# KiCad board Lime_RFE.kicad_pcb (continued)
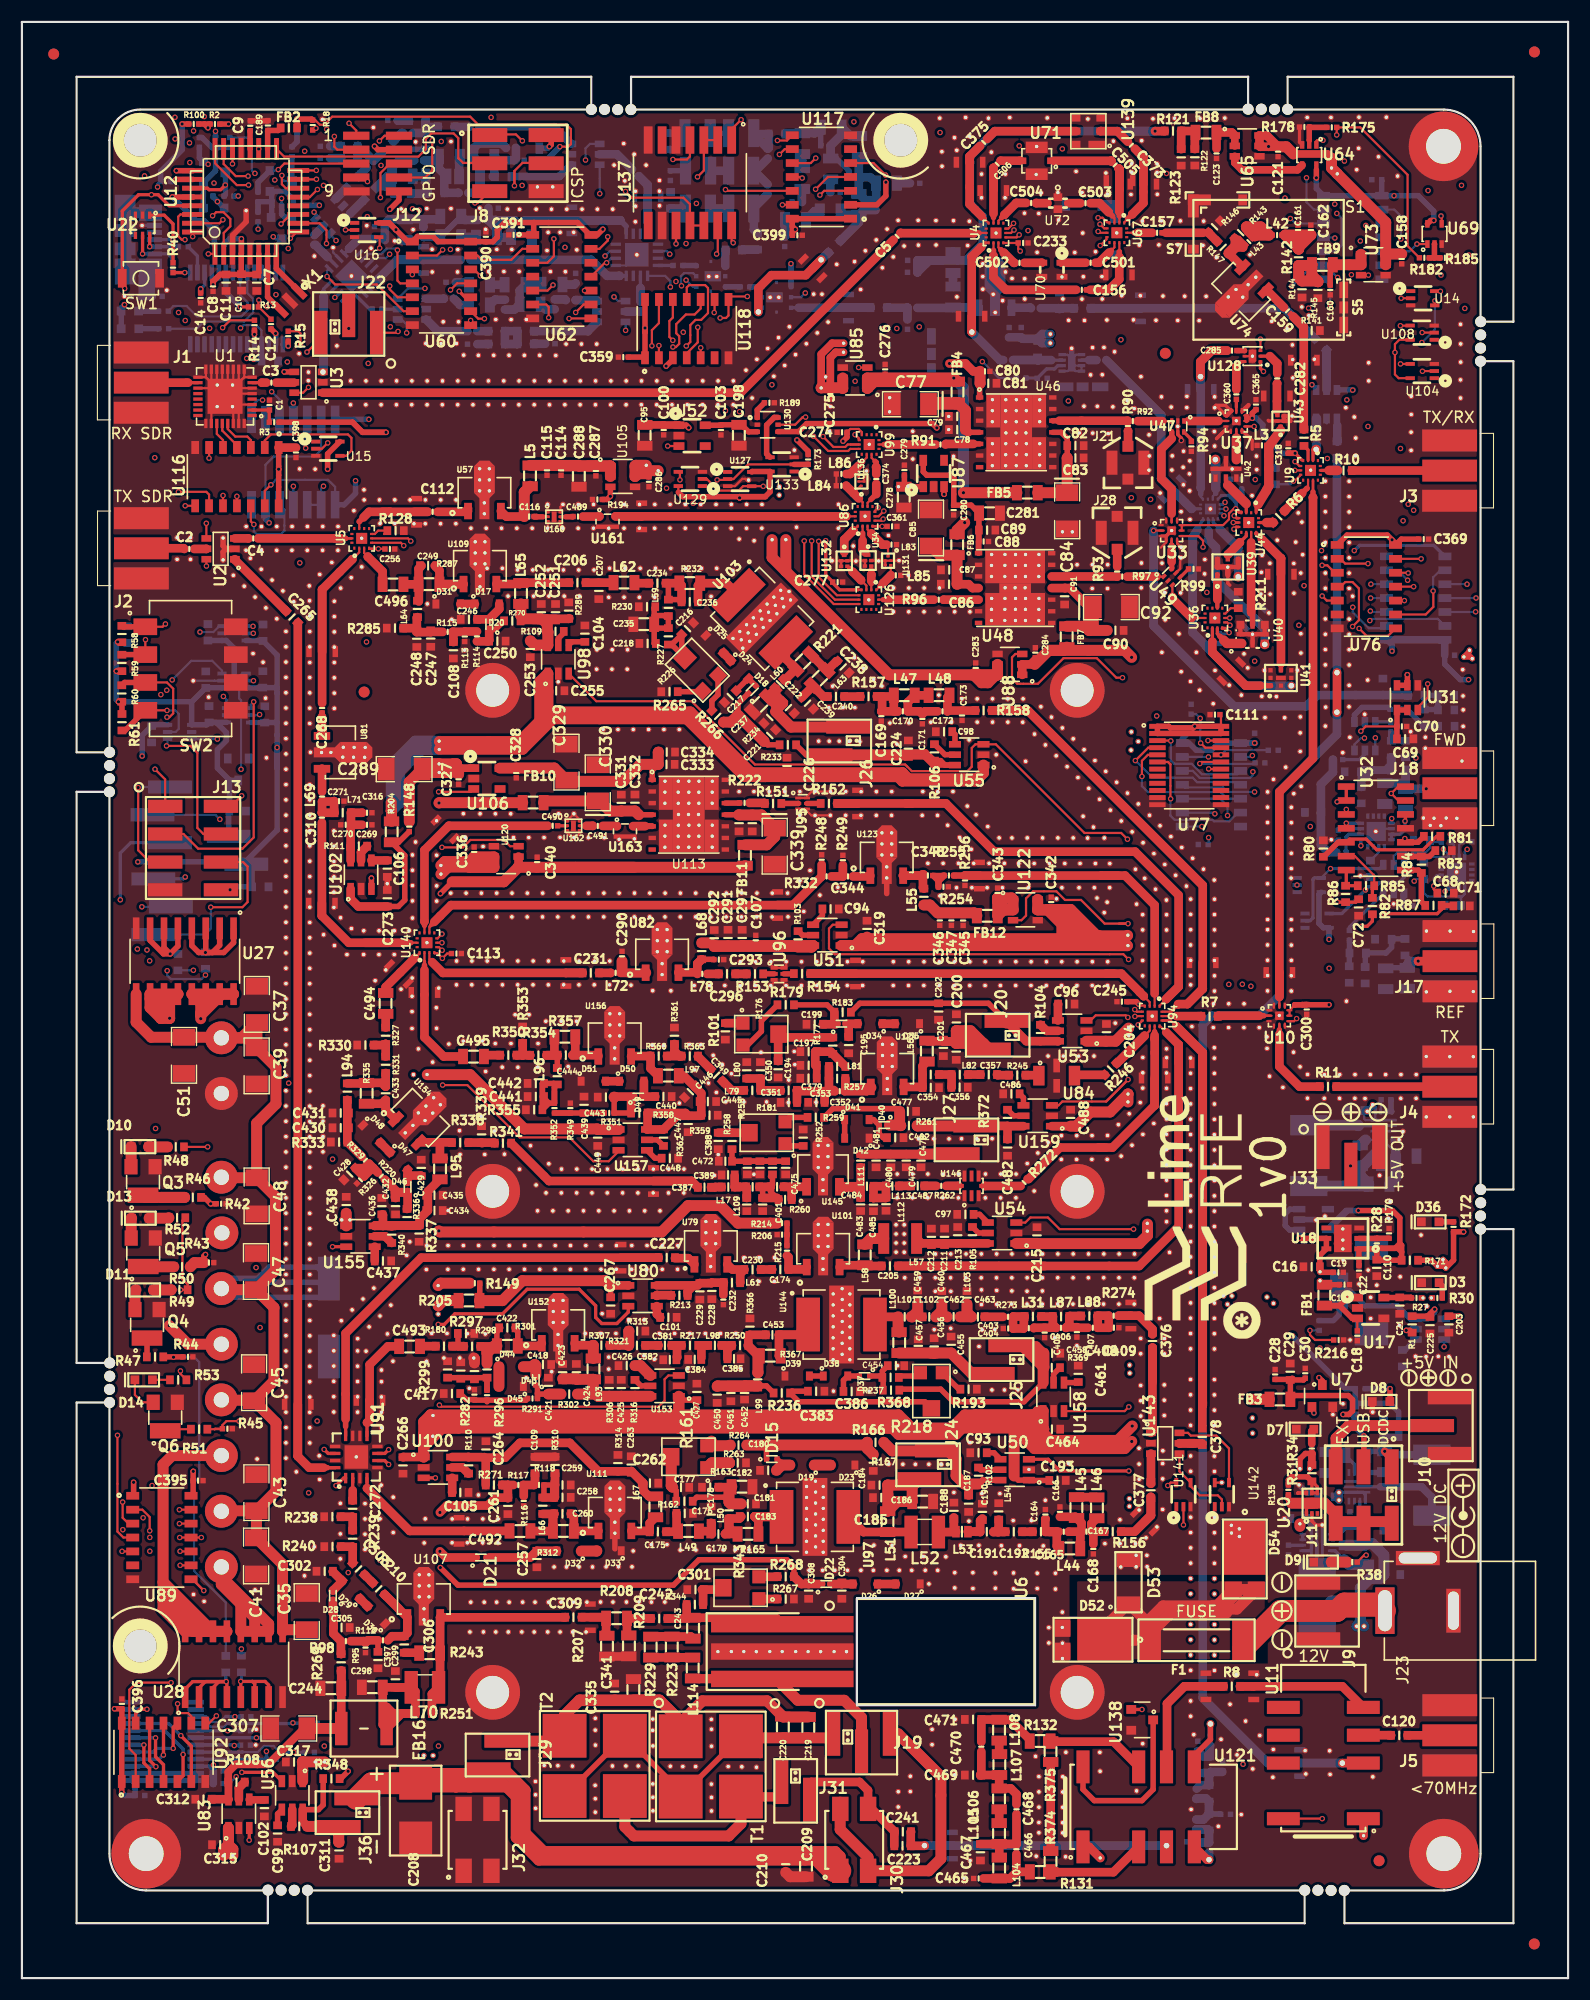
[diagram p0: board, top side]
## Routing (per net, layer and track width the routed paths; a pad name or vN(x,y) marks a point on that pad's centre or on a via; arc(x,y) is an arc through that point) (continued)
+5V_DCDC: length 13.2
  T w0.7: v1(124.36,48.07) 125.01,47.43 J11.1
  B w0.3: R25.2 122.1,47.11 U19.6 ; 124.26,48.17 v1(124.36,48.07)
  B w0.5: 125.63,49.6 125.47,49.44 C23.2 124.26,48.17 v1(124.36,48.07) 123.05,48.07 R25.2
  B w0.7: 124.67,47.76 v1(124.36,48.07) 124.67,47.76 ; 124.67,47.76 L1.1
+5V_ICSP: length 2.2
  T w0.5: v1(48.14,167.14) 48.31,167.31 48.31,168.24
  B w0.5: v1(48.14,167.14) 47.99,166.99 47.21,166.99
+5V_MCU: length 306.8
  T w0.2: 20.03,157.36 U12.4 ; v1(49.09,167.13) 49.85,167.13 50.1,167.37 50.1,168.73 49.66,169.16 41.61,169.16 40.91,169.86 28.31,169.86 27.58,169.12 27.19,169.12 26.77,169.55 R18.2
  T w0.3: v1(19.93,152.5) 19.93,152.5 R13.1 ; 21.62,155.65 C7.1 21.4,155.49 C10.1 ; U12.4 20.04,157.32 C10.1 ; C10.1 18.66,155.49 C11.1 18.08,155.46
  T w0.5: v1(9.36,152.71) 9.36,152.71 ; R18.2 26.44,169.65 v1(25.11,169.65) 25.11,169.64 FB2.2 ; 18.08,155.46 C8.1 18.08,155.46 ; 18.08,155.46 17.45,154.83 v1(17.45,154.53) ; 18.08,155.46 C11.1 ; 18.08,155.46 C11.1 ; C11.1 C7.1 21.62,155.65 U12.6 ; C10.1 20.02,155.52 U12.4 20.03,157.36 v1(20.03,158.72) ; R2.2 v1(18.86,169.19)
  SIG1 w0.5: v1(20.03,158.72) 19.74,159.01 v1(19.74,162.62) 20,162.88 20,168.05 v1(18.86,169.19) ; v1(115.94,58.62) 115.94,83.41 117.73,85.19 117.73,102.87 116.96,103.64 116.96,106.33 117.73,107.1 117.73,121.32 118.34,121.93 119.35,121.93 120.07,122.65 120.07,145.75 120.68,146.36 v1(120.68,165.81)
  SIG2 w0.5: v1(120.68,165.81) 120.68,165.81 105.75,165.81 105.3,166.26 98.79,166.26 98.33,165.81 87.36,165.81 84.8,163.25 76.38,163.25 72.58,167.04 66.23,167.04 65.51,166.32 62.23,166.32 61.48,167.07 57.59,167.07 56.25,165.73 54.9,165.73 53.5,167.13 v1(49.09,167.13) ; v1(17.45,154.53) 17.45,153.23 16.92,152.71 v1(9.36,152.71)
  PWR w0.5: v1(18.86,169.19) 19.32,169.65 v1(25.11,169.65) ; v1(17.45,154.53) 17.45,153.24 18.19,152.5 v1(19.93,152.5) 19.93,150.6 v1(19.95,150.58)
  B w0.2: v1(19.74,162.62) 19.74,162.62 R20.2 ; v1(21.15,147.72) 21.3,147.56 C13.1 ; v1(19.95,150.58) 20.21,150.84 21.38,150.84 21.87,150.35 U13.4 ; 18.61,153.81 v1(19.93,152.5) ; R19.2 18.94,158.72
  B w0.3: 18.61,153.81 v1(19.93,152.5)
  B w0.5: C13.1 21.87,147.57 U13.4 ; R186.2 25.11,167.57 v1(25.11,169.65) ; v1(49.09,167.13) 47.98,166.02 D6.1 ; v1(115.94,58.62) 120.77,53.79 R35.2 121.67,53.77 D5.1 121.97,52.45 124.86,52.45 125.63,51.68 D4.1 ; v1(9.36,152.71) 9.05,152.4 D2.1 9.06,152.11 D1.1 ; v1(19.93,152.5) 18.61,153.81 U13.20 ; R19.2 18.94,158.72 v1(20.03,158.72)
+5V_USB: length 19
  T w0.5: v1(122.46,49.47) 122.47,49.46 122.47,46.66 ; 115.93,54.74 115.75,54.57 FB3.2 116.1,53.16 121.04,53.16 121.42,52.78 121.42,51.77 121.09,51.44 v1(120.56,51.44) ; C30.1 116.95,54.58 C29.1 115.69,54.63 C28.1
  B w0.5: v1(122.46,49.47) 121.67,50.25 121.67,51.24 ; v1(120.56,51.44) 121.42,51.44 121.67,51.18
+7.5V: length 815.3
  T w0.2: v1(122.67,38.6) 122.49,38.6 R38.2
  T w0.5: 61.5,51.39 61.5,52.64 C427.2 59.95,52.74 ; 90.54,45.82 90.92,45.44 U50.1 91.93,45.41 C193.2 ; 90.54,50.65 90.54,50.84
  T w0.79: C266.2 34.8,47.55 U100.1 36.66,50.76 ; 80.3,109.29 80.35,109.24 ; C464.2 93.25,48.32 ; U159.1 C488.2
  T w1: C464.2 93.2,50.14 U158.1 92.75,51.74 92.4,51.39 92.1,51.39 ; C464.2 93.15,50.19 91.57,50.19 ; C464.2 93,50.19 92.35,50.84 ; 73.55,51.39 74.05,51.39 74.85,50.59 76.2,50.59 73.6,50.59 ; 73.55,51.39 59.95,51.39 ; 73.55,51.39 80,51.39 80.7,50.69 ; 37.3,51.39 38.1,50.59 73.6,50.59 ; 37.3,51.39 38.5,50.19 39.85,50.19 ; 37.3,51.39 59.95,51.39 ; 37.3,51.39 36.66,50.76 U100.1 36.66,48.51 38.34,50.19 ; 73.6,50.59 76.45,50.59 76.85,50.19 79.15,50.19 ; 79.15,50.19 81.2,50.19 ; 79.15,50.19 75.8,50.19 ; 87,51.39 86.45,50.84 ; 87,51.39 92.1,51.39 ; 87,51.39 85.22,49.62 80,49.62 78.92,50.69 78.6,50.69 ; 86.45,50.84 85.8,50.19 ; 86.45,50.84 92.35,50.84 ; 85.8,50.19 91.57,50.19 ; 85.8,50.19 84.85,50.19 ; 91.57,50.19 92.69,49.07 93.87,49.07 ; 81.2,50.19 84.85,50.19 ; 81.2,50.19 80.7,50.69 ; 80.7,50.69 78.6,50.69 ; 84.85,50.19 86.05,51.39 92.1,51.39 ; 75.8,50.19 76.3,50.69 78.6,50.69 ; 75.8,50.19 59.95,50.19 ; 59.95,50.19 59.95,50.59 59.95,50.19 ; 59.95,50.19 39.85,50.19 ; 59.95,50.19 U153.1 ; 92.35,50.84 92.35,50.59 93.87,49.07 ; 39.85,50.19 38.34,50.19 ; 36.66,49.71 37.15,50.19 38.34,50.19 ; 59.95,51.39 59.95,52.74 ; 60.05,115.54 61,115.54 66.55,109.99 66.6,109.99 ; 60.05,115.54 48.1,115.54 47.26,114.7 ; 60.05,115.54 60.67,114.92 ; 38.1,112.84 45.4,112.84 47.26,114.7 ; 47.26,114.7 47.26,118.3 U98.1 48,117.29 ; 80.35,109.99 80.35,109.24 ; 80.35,109.99 80.9,109.44 87.2,109.44 87.75,109.99 ; 80.35,109.99 66.6,109.99 ; 80.35,109.24 87,109.24 87.75,109.99 ; 80.35,109.24 79.95,109.64 ; 79.95,109.64 67.85,109.64 ; 79.95,109.64 70.05,109.64 C226.2 ; 67.85,109.64 66.95,109.64 66.6,109.99 ; 67.85,109.64 65.95,109.64 60.67,114.92 ; 60.67,114.92 48.47,114.92 ; 48.47,114.92 45.7,112.14 38.1,112.14 ; 48.47,114.92 48.01,115.38 C255.2 ; 87.75,109.99 U55.1 ; 33.73,106.48 GND_VIA#1255.1 33.73,106.48 ; 33.73,106.48 33.7,106.51 GND_VIA#1254.1 ; 33.73,106.48 R204.2 ; 37.99,61.35 GND_VIA#1257.1 38.46,61.82 R205.2 ; v1(101.32,50.38) 100.01,49.07 93.87,49.07 ; v1(101.28,48.97) 100.63,48.32 93.53,48.32 ; 37.58,50.51 37.58,51.27 37.59,51.28 ; 93.53,48.32 92.4,48.32 90.54,50.18 ; 93.53,48.32 93.25,48.32 ; 90.54,50.18 90.54,45.82 ; 90.54,50.18 90.54,50.65 ; 93.87,49.07 93.25,49.07 ; C488.2 96.22,77.74 97.51,79.04 99.3,79.04 GND_VIA#548.1 100.93,80.67 GND_VIA#559.1
  SIG1 w0.5: GND_VIA#548.1 100.22,79.96 100.22,78.65 101.2,77.67 101.2,77.2 102.29,76.1 102.29,75.19 102.07,74.98 102.07,67.12 102.69,66.5 102.69,62.02 102.41,61.74 102.41,59.49 102.83,59.07 102.83,50.86 102.84,50.85 102.37,50.38 v1(101.32,50.38) ; GND_VIA#17.1 122.67,32.31 v1(122.67,38.6) ; v1(101.28,48.97) 101.8,49.49 103.12,49.49 103.53,49.9 103.53,59.31 103.08,59.76 103.08,61.09 103.73,61.74 103.73,69.43 103.34,69.81 103.34,76.99 102.4,77.93 102.4,78.48 100.93,79.95 GND_VIA#559.1
  SIG1 w0.79: 35.42,53.5 37.51,51.41 GND_VIA#1384.1
  SIG1 w1: GND_VIA#1385.1 37.51,49.46 GND_VIA#1384.1 ; GND_VIA#1257.1 37.99,61.35 GND_VIA#1256.1
  SIG1 w2: GND_VIA#1385.1 35.42,51.53 35.42,60.23 36.55,61.36 GND_VIA#1257.1
  SIG2 w0.5: 101.24,111.95 97.75,111.95 95.4,109.6 ; 96.6,113.81 95.63,113.81 93.2,111.38 ; 101.32,113.81 101.33,113.8 ; 101.29,112.81 96.56,112.81 94.16,110.4 ; 112.29,51.11 105.82,51.11 105.09,50.38 v1(101.32,50.38) ; 112.31,49.72 112.3,49.73 107.28,49.73 107.07,49.52 101.83,49.52 v1(101.28,48.97) ; 90.07,109.98 91.8,109.98
  SIG2 w0.79: GND_VIA#556.1 101.32,113.81 96.6,113.81 ; 93.2,111.38 91.8,109.98
  SIG2 w1: 94.16,110.4 93.73,109.98 66.73,109.98 63.83,112.88 GND_VIA#550.1 ; 95.4,109.6 95.16,109.36 66.24,109.36 63.49,112.11 GND_VIA#549.1
  SIG2 w2: 98.18,112.81 101.29,112.81
  PWR w0.5: 104.78,86.84 103.38,85.45 103.38,81.03 102.91,80.56 101.05,80.56 ; 104.78,86.84 104.78,87.33 ; 104.78,86.84 104.78,90.2 105.32,90.74 105.32,98.58 103.51,100.39 103.51,101.77 ; 104.78,87.33 103.09,85.64 103.09,81.14 102.51,80.56 101.05,80.56 ; 104.78,87.33 104.78,89.41 105.67,90.31 105.67,98.63 103.51,100.79 103.51,101.77 ; 101.05,80.56 GND_VIA#548.1 ; 103.51,101.77 104.15,102.41 104.15,104.46 104.58,104.89 104.58,105.75 102.89,107.44 102.89,111.19 102.01,112.06 GND_VIA#557.1 ; 104.08,107.27 103.55,107.79 103.55,111.58 102.29,112.85 GND_VIA#558.1 ; 104.08,107.27 104.08,112.56 102.91,113.72 GND_VIA#556.1 ; 104.08,107.27 105.71,105.63 105.71,103.92 105.22,103.43 105.22,101.49 104.55,100.81 104.55,100.32 105.82,99.04 105.82,89.07 104.8,88.05 104.8,86.45 103.64,85.29 103.64,80.05 102.87,79.28 101.62,79.28 100.93,79.96 GND_VIA#559.1
  PWR w1: GND_VIA#17.1 113.68,32.11 112.29,33.5 GND_VIA#1374.1
  B w1: 122.14,32.44 GND_VIA#37.1 ; 122.14,32.44 GND_VIA#17.1 ; 122.14,32.44 R37.1 ; GND_VIA#550.1 35.89,112.88 33.7,110.69 GND_VIA#1254.1 ; GND_VIA#1255.1 34.47,107.26 34.47,110.11 36.47,112.11 GND_VIA#549.1
+12V: length 581.5
  T w0.2: 29.19,69.19 29.19,69.05 29.79,69.05 GND_VIA#551.1 29.93,68.98
  T w0.5: GND_VIA#1367.1 101.01,86.69 GND_VIA#1366.1 ; 102.7,68.86 GND_VIA#1406.1
  T w0.79: 18.91,11.9 18.85,11.96 U83.1
  T w1: U56.1 25.62,18.98 25.62,18.98 25.62,19.75 ; C315.2 18.85,12.17 U83.1 18.85,12.01 ; C315.2 18.41,11.73 GND_VIA#1382.1 ; C315.2 19.25,11.76 GND_VIA#1383.1 ; 37,82.44 40.9,82.44 45.85,77.49 52.5,77.49 C449.2 U157.1 ; 101,86.69 99.8,85.49 U53.1 ; 27.62,19.73 25.6,19.73 C317.2 ; 102.72,68.8 102.72,67.78 101.97,67.03 C215.2 ; U54.1 92.7,67.04 ; GND_VIA#99.1 116.62,41.22 ; C438.2 U155.1
  SIG2 w0.5: GND_VIA#1369.1 101.62,44.31 111.76,44.31 ; 109.92,43.63 101.64,43.63 GND_VIA#1368.1 ; 109.92,43.63 110.37,43.18 GND_VIA#2013.1 110.38,41.31 GND_VIA#2012.1 ; 109.92,43.63 115.57,43.63 ; 115.57,43.63 116.62,42.58 GND_VIA#99.1 ; 115.57,43.63 120.18,43.63 GND_VIA#101.1 117.5,43.61 116.62,42.74 GND_VIA#99.1 ; 114.93,44.31 116.62,42.62 GND_VIA#99.1 ; 114.93,44.31 111.76,44.31 ; 114.93,44.31 GND_VIA#100.1 ; 111.76,44.31 111.1,43.65 GND_VIA#2014.1 111.1,40.99 GND_VIA#2015.1
  SIG2 w1: GND_VIA#1370.1 35.74,82.46 GND_VIA#553.1
  PWR w0.5: GND_VIA#555.1 37.52,15.44 39.88,13.09 64.75,13.09 67.99,16.33 96.64,16.33 ; GND_VIA#1368.1 99.87,43.05 99.52,42.71 99.52,20.63 98.63,19.74 98.01,19.74 95.98,17.71 67.87,17.71 63.91,13.76 40.24,13.76 38.23,15.77 38.23,18.32 36.68,19.87 GND_VIA#554.1 ; GND_VIA#1368.1 100.94,42.92 100.94,19.92 97.34,16.33 96.64,16.33 ; GND_VIA#1368.1 101.06,43.75 GND_VIA#1369.1 102.52,43.75 102.92,44.16 ; 102.92,44.16 102.92,40.86 103.44,40.34 103.44,20.4 99.38,16.33 96.64,16.33 ; 102.92,44.16 103.22,44.46 103.22,58.03 102.72,58.53 102.72,75.6 101.14,77.19 101.14,77.69 100.1,78.72 100.1,82.59 101.01,83.5 GND_VIA#1366.1 101,86 GND_VIA#1367.1 ; 102.69,68.17 GND_VIA#1407.1
  PWR w1: 32.66,66.13 32.66,69.38 ; 32.66,66.13 32.66,66.45 ; 32.66,66.13 31.98,66.81 31.98,78.7 GND_VIA#1370.1 ; 32.66,69.38 30.12,69.38 GND_VIA#551.1 ; 32.66,69.38 32.66,78.15 GND_VIA#553.1 ; 39.82,13.14 37.87,11.19 GND_VIA#1382.1 ; GND_VIA#551.1 29.19,69.19 GND_VIA#552.1 ; GND_VIA#551.1 30,69.25 ; 123.61,79.07 123.58,79.1 GND_VIA#1459.1 ; GND_VIA#1459.1 123.25,79.58 GND_VIA#1460.1 ; GND_VIA#1459.1 122.77,77.48 126.13,74.12 126.13,66.06 128.68,63.5 130.39,63.5 132.02,61.88 132.02,49.59 ; 132.02,49.59 126.74,44.31 GND_VIA#100.1 ; 132.02,49.59 132.02,47.52 128.1,43.61 GND_VIA#101.1 ; GND_VIA#1372.1 27.61,19.73 GND_VIA#1371.1 28.2,20.31 GND_VIA#554.1 36.69,20.31 GND_VIA#555.1
  PWR w2: 34.33,22.38 34.33,37.67 35.34,38.68 35.34,63.77 32.66,66.45
  B w0.2: U90.8 123.51,78.46 123.68,78.29 U90.1 122.61,78.29 122.49,78.41 C507.2
  B w0.3: U21.8 117.53,39 117.68,39.15 U21.1 117.68,41.38 117.69,41.39 117.25,41.83 C25.2 ; U19.8 122.6,44.13 122.4,44.33 U19.1 120.21,44.33 GND_VIA#100.1 ; 120.18,44.3 GND_VIA#100.1 ; GND_VIA#100.1 119.79,43.92 C20.2 ; GND_VIA#100.1 120.19,44.31 C20.2 ; 120.15,43.51 120.17,43.53 119.79,43.9 C20.2 ; C20.2 120.09,43.61 GND_VIA#101.1 ; GND_VIA#1460.1 123.51,79.45 U90.8 ; GND_VIA#2013.1 110.37,41.32 ; GND_VIA#2013.1 110.39,41.33 ; GND_VIA#2013.1 110.36,41.3 ; 111.09,40.99 GND_VIA#2014.1 ; GND_VIA#2014.1 111.11,41.02 ; GND_VIA#2014.1 111.09,41
  B w0.5: 123.25,79.58 GND_VIA#1459.1
  B w0.7: 117.69,41.51 C25.2 ; 117.69,41.51 C25.2 ; 117.69,41.51 117.69,41.39 ; C25.2 116.75,41.45 GND_VIA#99.1 ; 120.19,43.61 GND_VIA#100.1
/Cell/PA_1_2_3/VCC: length 48.5
  T w0.5: U88.2 91.86,119.88 C284.1 ; v1(86.03,132.82) 85.34,132.13
  T w0.79: 92.42,119.88 U88.2 U88.1
  T w1: 92.42,119.88 93.7,121.16 93.74,121.16 ; v1(101.27,120.52) 100.63,121.16 93.74,121.16 ; v1(86.03,132.82) 85.34,132.13 FB6.2 ; 93.74,121.16 95.06,121.16 FB7.2
  SIG1 w1: v1(101.24,135.1) 101.27,135.07 v1(101.27,120.52)
  SIG2 w1: v1(86.03,132.82) 86.03,133.62 87.51,135.1 v1(101.24,135.1)
/Cell/PA_7_38/VCC: length 36
  T w0.5: U85.2 78.61,146.02 78.77,146.19 C276.1
  T w1: 85.17,145.69 FB4.2 ; FB4.2 85.36,145.69 v1(85.04,146.01) ; FB4.2 77.78,145.69 U85.1 U85.2 85.04,146.02 FB4.2 ; FB5.2 v1(85.92,135.55)
  B w1: v1(85.04,146.01) 85.92,145.13 v1(85.92,135.55)
/SWR_Meter_Subsystem/5V_SWR: length 36.8
  T w0.2: v1(122.19,113.79) 122.62,114.22 C70.1
  T w0.3: v1(120.86,105.39) U32.4 120.86,104.92
  T w0.5: C69.1 C70.1 125.48,114.23 U31.1 U31.2
  SIG1 w0.2: v1(122.19,103.33) 122.19,111.86 121.75,112.29 121.75,113.35 v1(122.19,113.79)
  SIG1 w0.3: v1(120.86,105.39) 122.19,104.06 v1(122.19,103.33)
  SIG2 w0.2: v1(122.19,103.33) 122.51,103.01 v1(129.72,103.01) 129.73,103 v1(131.89,103)
  B w0.2: R78.2 128.46,102.31 IC2.1 130.16,102.57 v1(129.72,103.01) ; v1(131.89,103) 131.66,102.78 IC2.4
  B w0.3: v1(120.86,105.39) 120.86,105.39 IC1.4 ; v1(122.19,103.33) 122.18,103.34 IC1.1
/TX_H2/PA2400/VCC: length 63.9
  T w0.5: 39.27,100.04 v1(38.19,98.96) ; v1(38.06,107.23) 45.67,107.23 FB10.2 ; U120.1 43.98,100.04
  T w0.79: U120.2 U120.1
  T w1: 48.07,101.36 45.32,101.36 ; 48.07,101.36 55.9,101.36 ; 48.07,101.36 65.85,101.36 FB11.2 ; FB10.2 38.09,107.26 v1(38.06,107.23) ; U120.1 43.98,100.04 39.27,100.04
  SIG1 w0.5: v1(38.06,107.23) 39.04,106.25 39.04,99.82 v1(38.19,98.96)
/USB/VBUS: length 254.2
  T w0.3: v1(11.01,157.34) U22.5
  T w1: v1(112.21,52.82) 112.22,52.81 FB3.1
  SIG2 w1: v1(11.01,157.34) 11.73,156.62 16.17,156.62 16.56,156.24 33.76,156.24 34.26,156.73 51.92,156.73 53.59,155.06 58.23,155.06 59.41,156.24 64.74,156.24 65.9,155.08 84.71,155.08 87.01,157.37 89.65,157.37 90.53,156.49 98.79,156.49 101.58,159.28 116.04,159.28 118.09,157.24 v1(132.04,157.24)
  PWR w1: v1(112.21,52.82) 112.21,81.98 117.3,87.07 117.3,103.98 116.71,104.57 116.71,106.39 120.15,109.83 127.58,109.83 129.71,111.96 129.71,118.47 129.2,118.97 129.2,124.98 129.84,125.63 129.84,127.66 128.77,128.74 128.77,151.13 127.93,151.97 127.93,156.16 129.01,157.24 v1(132.04,157.24)
  B w0.3: C27.1 13.34,157.34 CON1.1 v1(11.01,157.34)
GND: length 687.9
  T w0.2: U128.5 GND_VIA#107.1 ; U131.2 78.78,129.36 77.51,129.36 ; U131.2 U131.5 79.29,129.35 GND_VIA#1410.1 ; U131.2 U131.3 ; 74.75,129.34 75.33,129.34 75.35,129.36 76.93,129.36 76.93,128.86 ; 74.75,129.34 GND_VIA#1505.1 ; 74.75,129.34 74.75,128.84 ; GND_VIA#458.1 72.04,106.1 71.65,106.5 U95.4 U95.3 ; GND_VIA#457.1 72.07,108.27 71.65,107.85 U95.6 U95.1 ; 19.29,145.09 U1.33 ; 19.29,145.09 U1.33 ; 19.29,145.09 U1.11 ; 19.29,145.09 U1.6 ; U1.33 18.79,144.59 ; U1.33 19.29,143.59 ; U1.33 20.29,146.09 ; U1.33 20.29,146.09 ; U1.33 18.79,144.59 ; U1.33 18.29,144.59 U1.13 ; U1.33 17.79,145.09 ; U1.33 17.29,145.59 U1.15 ; U1.33 16.79,146.09 ; U1.33 16.79,146.09 ; U1.33 17.79,145.09 ; U1.33 19.29,143.59 ; U1.33 19.79,143.09 U1.31 ; 18.79,144.59 U1.5 ; 18.79,144.59 U1.12 ; 19.29,143.59 U1.30 ; 19.29,143.59 U1.3 ; 20.29,146.09 U1.9 ; 20.29,146.09 U1.8 ; GND_VIA#1167.1 19.79,145.94 U1.10 ; 17.79,145.09 U1.14 ; 17.79,145.09 U1.19 ; 16.79,146.09 U1.16 ; 16.79,146.09 U1.17 ; GND_VIA#1169.1 17.29,142.87 U1.26 ; GND_VIA#535.1 68.65,90.89 U96.3 ; GND_VIA#534.1 69.55,90.77 U96.4 ; U136.3 U136.2 U136.5 ; U136.3 76.86,137.3 77.15,137.59 ; U136.3 76.86,137.3 GND_VIA#1440.1 ; L84.1 74.33,136.19 L86.1 ; 105.78,130.56 105.42,130.92 105.42,131.16 105.42,130.93 GND_VIA#1446.1 ; 103.92,130.53 104.42,131.02 104.42,131.16 ; 105.7,129.31 105.7,128.62 U49.5 ; 111.89,140.69 111.89,140.68 111.41,141.17 111.32,141.17 ; 109.63,141.1 109.89,141.37 109.89,141.6 ; 109.63,141.1 109.59,141.1 109.59,141.06 ; 109.63,141.1 109.69,141.17 110.32,141.17 ; 111.68,143.29 111.59,143.29 111.32,143.03 ; GND_VIA#822.1 49.14,132.53 49.14,132.95 ; GND_VIA#825.1 47.99,132.34 47.99,132.95 ; GND_VIA#824.1 47.99,134.46 47.99,133.75 ; GND_VIA#821.1 49.14,134.25 49.14,133.75 ; 49.76,104.52 50.07,104.21 ; 49.76,104.52 50.07,104.21 ; 49.76,104.52 49.76,104.75 49.76,104.52 ; 50.07,104.21 50.64,104.21 50.91,104.48 50.91,104.75 ; U33.12 U33.12 ; U33.6 U33.6 ; 50.91,105.55 50.91,105.71 GND_VIA#1136.1 49.76,105.64 49.76,105.55 ; U127.3 65.06,136.14 65.74,136.82 66.01,136.82 66.13,136.7 GND_VIA#1439.1 ; GND_VIA#544.1 68.35,92.49 U96.1 U96.6 69.75,92.39 GND_VIA#545.1 ; U33.10 U33.10 ; U37.10 U37.10 ; U10.10 U10.10 ; U37.6 U37.6 ; U10.6 U10.6 ; U10.12 U10.12 ; U10.1 U10.1 ; 42.32,159.37 C390.1 GND_VIA#1437.1 42.32,159.37
  T w0.3: GND_VIA#102.1 119.62,51.44 U7.3 ; GND_VIA#110.1 110.95,137.72 U42.8 ; 111.32,141.17 111.42,141.17 112.27,140.31 112.27,139.52 ; 109.69,141.17 109.01,140.49 109.89,141.37 ; 110.32,143.03 109.82,143.53 108.95,143.53 109.88,142.6 109.89,142.6 ; U39.2 110.04,127.3 110.23,127.11 ; 115.15,142.6 115.15,142.26 115.17,142.24 ; 113.72,142.16 113.78,142.1 115.15,142.1 ; 11.02,159.88 GND_VIA#46.1 ; R297.1 41.26,58.81 GND_VIA#963.1 ; 116.42,44.23 116.47,44.28 117.22,44.28 116.45,44.28 116.45,44.27 ; GND_VIA#98.1 118.08,41.35 117.72,41.7 117.72,42.41 ; v1(105.8,140.31) 105.8,140.54 105.48,140.86 U47.5 ; 104.42,131.59 GND_VIA#116.1 104.42,131.59 ; 104.42,131.59 104.42,131.16 ; 104.42,131.59 103.99,131.59 ; R178.2 116.58,167.53 U64.3
  T w0.4: 111.41,143.03 111.93,143.55 ; 109.89,142.6 109.94,142.6 110.37,143.03 110.32,143.03 ; U42.8 U42.2 ; U42.8 U42.8 ; U42.8 U42.4 ; U40.8 U40.4 U40.5 ; U40.8 U40.8 U40.7 ; U40.8 U40.2 ; 115.77,142.1 115.15,142.1 115.15,142.52 115.16,142.53 115.94,142.53 ; U39.4 U39.2
  T w0.5: D8.2 123.23,51.69 GND_VIA#33.1 ; U39.2 U39.2 U39.8 U39.7 ; U39.5 U39.4 ; GND_VIA#2088.1 78.92,98.97 ; GND_VIA#2143.1 48.92,56.31 ; GND_VIA#2152.1 54.11,39.17 ; C106.2 C273.1 ; C189.1 22.43,169.48 C9.1 ; 20.46,161.29 20.46,160.27 19.22,159.03 U12.3 ; GND_VIA#1994.1 18.36,130.7 18.63,130.43 U2.2 18.64,130.43 18.36,130.14 GND_VIA#1995.1
  T w0.79: 53.39,29.35 55.48,29.35 ; R310.2 48.64,47.56 C109.2
  T w1: C210.1 70.09,9.25 C209.1 ; GND_VIA#972.1 41.3,56.52 C420.2
  PWR w0.2: 106.76,132.09 106.73,132.06 106.73,131.51 106.76,131.51 ; GND_VIA#1191.1 GND_VIA#1218.1
  PWR w0.3: 106.76,130.33 106.76,132.09 106.95,131.91 106.95,131.32 106.76,131.32 106.76,130.33 ; 106.76,130.33 106.76,130.12
  PWR w0.5: 106.76,132.09 106.76,129.52 ; 106.76,129.23 106.76,130.12 ; 55.84,145.75 61.43,145.75
  PWR w1: 61.43,145.75 65.1,145.75 69.07,149.72 GND_VIA#118.1 ; GND_VIA#8.1 126.73,115.75 125.48,117 123.32,117 ; 66.83,167.72 68.2,169.09 72.97,169.09 76.97,165.09 GND_VIA#1248.1 74,154.65 ; 63.52,167.72 62.15,169.09 44.09,169.09 43.03,168.03 40.67,168.03 39.61,169.09 31.99,169.09 28.89,165.99 28.89,161.42 25.77,158.29 25.77,150.86 30.88,145.75 55.84,145.75
  PWR w2: 88.91,152.36 70.91,152.36 69.9,153.38 GND_VIA#118.1 ; 88.91,152.36 115.34,152.36 119.09,148.62 119.09,143.42 120.61,141.89 120.61,137.58 120.01,136.98 120.01,122.33 GND_VIA#1335.1 ; 88.91,152.36 88.91,148.2 89.5,147.61 98.89,147.61 103.85,142.65 103.85,137.03 106.82,134.06 ; GND_VIA#1301.1 118.22,19.62 113.75,19.62 110.99,22.39 110.99,23.31 109.31,24.99 108,24.99 107.79,25.2 107.79,87.03 108.71,87.95 112.82,87.95 114.76,89.89 114.76,108.34 119.27,112.84 121.12,112.84 ; 123.32,117 117.88,117 116.89,116.02 110.57,116.02 103.14,123.45 103.14,129.84 104.92,131.62 GND_VIA#116.1 106.76,132.09 106.76,131.51 106.76,133.66 ; 111.07,129.6 109.28,131.38 109.28,131.29 ; 113.18,123.52 109.28,127.42 109.28,131.29 ; 114.24,117.91 111.89,117.91 106.76,123.04 106.76,129.52 ; 106.82,134.06 GND_VIA#658.1 107.07,135.44 107.07,139.46 107.61,139.99 107.61,144.21 107.46,144.35 ; 106.82,134.06 106.76,134.01 106.76,133.66 ; 102.83,11.86 102.19,12.5 97.02,12.5 96.38,11.86 83.98,11.86 85.12,10.72 GND_VIA#1171.1 ; 107.77,13.79 106.94,14.62 GND_VIA#2067.1 109.18,19.98 109.18,20.35 ; 107.77,13.79 108.97,12.58 ; 107.77,13.79 107.77,19.31 108.81,20.35 109.18,20.35 ; 109.18,20.35 GND_VIA#2064.1 ; 106.76,133.66 109.13,131.29 109.28,131.29 ; 66.83,167.72 63.52,167.72 ; 106.76,131.63 105.77,130.63 GND_VIA#1658.1
  B w0.2: 119.09,142.33 119.09,141.9 119.06,141.87 ; GND_VIA#138.1 55.14,156.29 U59.5 ; U45.9 95.81,147.02 95.44,146.65 U45.5 ; U45.9 95.81,146.97 96.13,146.65 U45.4 U45.3 96.06,147.15 U45.9 ; U45.9 95.81,147.75 96.21,148.15 U45.1 ; U45.9 95.81,147.74 95.4,148.15 U45.8 ; GND_VIA#3.1 123.8,104.89 IC1.10 ; GND_VIA#1448.1 21.33,21.26 R174.1 ; 20.9,22.69 21.38,22.69 GND_VIA#1449.1 20.98,22.69 R197.1 ; GND_VIA#2.1 131.16,100.7 IC2.10 ; GND_VIA#1450.1 9.37,153.45 C31.2 ; 15.61,118.39 15.61,118.39 U23.2 ; GND_VIA#1457.1 125.66,76.49 U90.4 ; 126.01,77.25 GND_VIA#1458.1 126.01,77.29 U90.3 ; 124.93,79.16 U90.11 ; GND_VIA#1640.1 28.4,157.47 U58.3 ; 130.42,100.25 130.92,100.25
  B w0.3: GND_VIA#98.1 118.68,41.32 U21.3 ; GND_VIA#46.1 10.98,159.94 CON1.5 ; C64.1 120.12,103.82 119.69,103.82 ; C67.1 122.94,100.59 GND_VIA#1420.1 ; C20.1 117.93,44.27 117.54,44.27 ; U21.10 U21.11
  B w0.5: GND_VIA#1445.1 117.28,44.27 117.54,44.27 ; GND_VIA#29.1 118.05,69.22 U112.2 ; C393.2 124.93,79.16 U90.11 U90.10 ; U45.9 95.81,148.55
  B w0.79: C326.2 36.98,162.85 C324.2
VDD_I2C: length 121.9
  T w0.5: v1(8.81,116.47) 8.82,116.47 R60.2 9.13,116.45 R61.2 ; v1(8.74,121.94) 8.77,121.9 ; v1(8.62,119.26) 8.62,119.26 R59.2 ; v1(33.57,161.41) 34.41,162.25 J12.10
  SIG2 w0.5: v1(27.14,161.77) 27.14,161.82 27.55,161.41 v1(33.57,161.41)
  PWR w0.5: v1(27.14,161.77) 26.71,161.77 26.12,162.36 26.12,165.79 26.57,166.23 26.57,167.33 25.37,168.53 v1(17.67,168.53) 15.74,166.6 14.46,166.6 11.08,163.23 10.68,163.23 8.74,161.3 v1(8.74,121.94)
  B w0.5: v1(27.14,161.77) 27.14,161.77 R192.1 ; 9.58,121.9 C36.1 9.55,121.94 v1(8.74,121.94) 8.62,121.81 v1(8.62,119.26) 8.62,116.66 v1(8.81,116.47) 15.47,116.47 15.49,116.45 ; C33.1 16.86,114.37 U26.1 15.49,116.45 ; C33.1 17.09,114.59 U25.1 ; C33.1 17.73,114.58 18.66,113.66 18.66,112.93 17.84,112.11 17.84,110.42 18.94,109.33 18.94,109.31 ; 15.49,116.45 C40.1 16.78,117.74 U23.1 18.91,117.74 19.37,118.2 19.37,121.35 18.65,122.06 U24.1 C44.1 ; 18.94,109.31 19.72,109.31 D12.3 ; 18.94,109.31 C49.1 18.87,106.43 J14.2 ; v1(17.67,168.53) R24.1
VDDA: length 136.5
  T w0.2: v1(16.95,75.85) 16.94,75.85 R48.2 ; v1(14.47,55.41) 14.47,55.14 R53.2 ; R52.2 14.65,69.12 14.65,63.78 15.12,63.31 R49.2 14.48,62.81 v1(14.47,62.81)
  T w0.5: v1(19,99.31) J13.5
  SIG1 w0.2: v1(14.47,62.81) 14.47,55.41 v1(14.47,55.41) 13.57,55.41 12.19,56.78 v1(12.19,77.53) 12.19,100.24 v1(10.58,101.86)
  SIG2 w0.2: v1(12.19,77.53) 12.19,76.49 12.83,75.85 v1(16.95,75.85)
  SIG2 w0.5: v1(10.97,111.52) 13.67,111.52 14.45,112.3 v1(23.28,112.3)
  B w0.2: 20.26,101.86 J14.1
  B w0.5: J14.1 21,101.12 C50.1 19.27,99.58 v1(19,99.31) ; J14.1 20.26,101.86 v1(10.58,101.86) ; J14.1 20.47,101.94 23.28,104.75 23.28,110.44 ; 23.28,110.44 23.28,114.58 ; 23.28,110.44 v1(23.28,112.3) ; 23.28,114.58 23.28,117.69 ; 23.28,114.58 22.18,114.58 C46.1 22.14,114.59 U25.6 ; 23.28,117.69 23.28,120.74 C38.1 21.97,122.06 U24.6 ; 23.28,117.69 23.17,117.69 23.24,117.76 23.28,117.76 C42.1 21.57,117.76 21.54,117.74 U23.6 ; U26.6 11.94,114.37 C34.1 10.97,113.4 v1(10.97,111.52)
(no net):
  vias: v1(119.13,138.67) v1(120.91,144.02)
/30MHz_RELAY_CTR: length 233.2
  T w0.2: v1(117.91,51.56) 117.72,51.75 117.72,52.4
  T w0.3: v1(117.91,51.56) 117.72,51.75 U7.2
  T w0.5: U12.25 v1(14.1,164.94)
  SIG1 w0.2: v1(117.91,51.56) 116.88,52.59 116.88,65.74 117.78,66.64 117.78,67.64 116.88,68.55 116.88,76.67 119.55,79.34 119.55,85.33 123.08,88.87 123.08,110.65 124.14,111.71 124.14,114.68 123.08,115.74 123.08,116.98 122.14,117.92 122.14,120.83 122.5,121.2 122.5,128.43 122.2,128.73 122.2,158.46 v1(122.14,158.52)
  SIG2 w0.2: v1(122.14,158.52) 122.14,162.45 121.62,162.97 105.54,162.97 105.14,163.36 98.1,163.36 96.71,161.98 75,161.98 72.04,164.94 61.18,164.94 58.81,162.57 54.05,162.57 51.69,164.94 40.86,164.94 40.27,164.35 32.39,164.35 31.8,164.94 31.1,164.94 30.47,164.31 28.46,164.31 27.84,164.94 27.63,164.94 27.07,165.49 20.41,165.49 19.46,164.54 17.8,164.54 17.4,164.94 v1(14.1,164.94)
/30MHz_RX: length 141.8
  T w0.79: 120,115.49 120.01,115.5 TRANS_VIA#15.1 ; U11.3 122.41,19.62 TRANS_VIA#17.1
  B w0.79: 120,119.13 120.01,119.13 C313.1 ; 120.51,19.62 113.7,19.62 107.75,25.56 107.75,87 108.57,87.82 112.92,87.82 114.75,89.65 114.75,108.25 120,113.5 TRANS_VIA#16.1 ; P41.2 120.49,19.63 TRANS_VIA#17.1
/30MHz_TX: length 13.3
  T w0.79: U11.5 120.49,26.62 R8.1 112.41,26.62 P40.2
/ATTEN0: length 3.7
  T w0.2: U116.3 20.89,140.35 20.57,140.67 19.47,140.67 18.79,141.36 U1.29
/ATTEN1: length 2.7
  T w0.2: U116.4 19.62,139.88 18.29,141.21 U1.28
/ATTEN2: length 2.4
  T w0.2: U116.5 18.35,140.35 17.79,140.92 U1.27
/BAND38_TX_ENn: length 96.1
  T w0.2: U133.2 66.26,138.13 64.92,136.79 U127.2 64.32,136.72 v1(63.44,136.72)
  T w0.5: v1(14.62,169.19) R100.1 ; U133.2 R173.2
  SIG1 w0.2: v1(12.38,163.44) 12.38,157.53 12.12,157.28 v1(12.12,138.74)
  SIG2 w0.2: 27.44,138.29 26.29,138.29 ; 27.44,138.29 37.37,138.29 38.5,139.42 45.92,139.42 45.94,139.44 45.99,139.44 45.99,139.35 48.55,136.79 58.32,136.79 59.02,137.49 62.67,137.49 v1(63.44,136.72) ; 27.44,138.29 17.38,138.29 17.13,138.04 12.83,138.04 v1(12.12,138.74)
  B w0.3: R4.1 12.38,163.67 v1(12.38,163.44)
  B w0.5: v1(14.62,169.19) 14.62,166.84 12.66,164.88 R4.1
/Cell/BAND38_RX: length 20.9
  T w0.79: 107.53,146.13 107.53,147.48 108.58,148.52 ; 108.58,148.52 C285.2 108.58,148.52 ; 108.58,148.52 107.55,147.49 107.55,146.1
  B w0.2: 107.58,135.41 107.58,135.16 U35.1 ; 107.58,135.96 107.58,135.97 107.58,135.9
  B w0.3: 107.58,135.98 107.58,135.96
  B w0.5: 107.58,135.9 107.58,135.41
  B w0.79: 107.57,146.14 107.57,135.98 107.58,135.98 ; TRANS_VIA#5.1 107.57,146.12 P67.2